# Altium PCB UltraZohm_Digital_Resolver.PcbDoc (part 3 of 3)
Units mm, origin at the board's own origin, x right, y up, seen from the top; angles counter-clockwise.
Board outline 155.99 x 100.01 mm, 4 copper layers (Top Layer, Ground, VCC, Bottom Layer), stack 0.98 mm thick; 372 components, 223 nets, 1088 pads, 356 vias.
Unrouted connection lines stored in the file: 162.
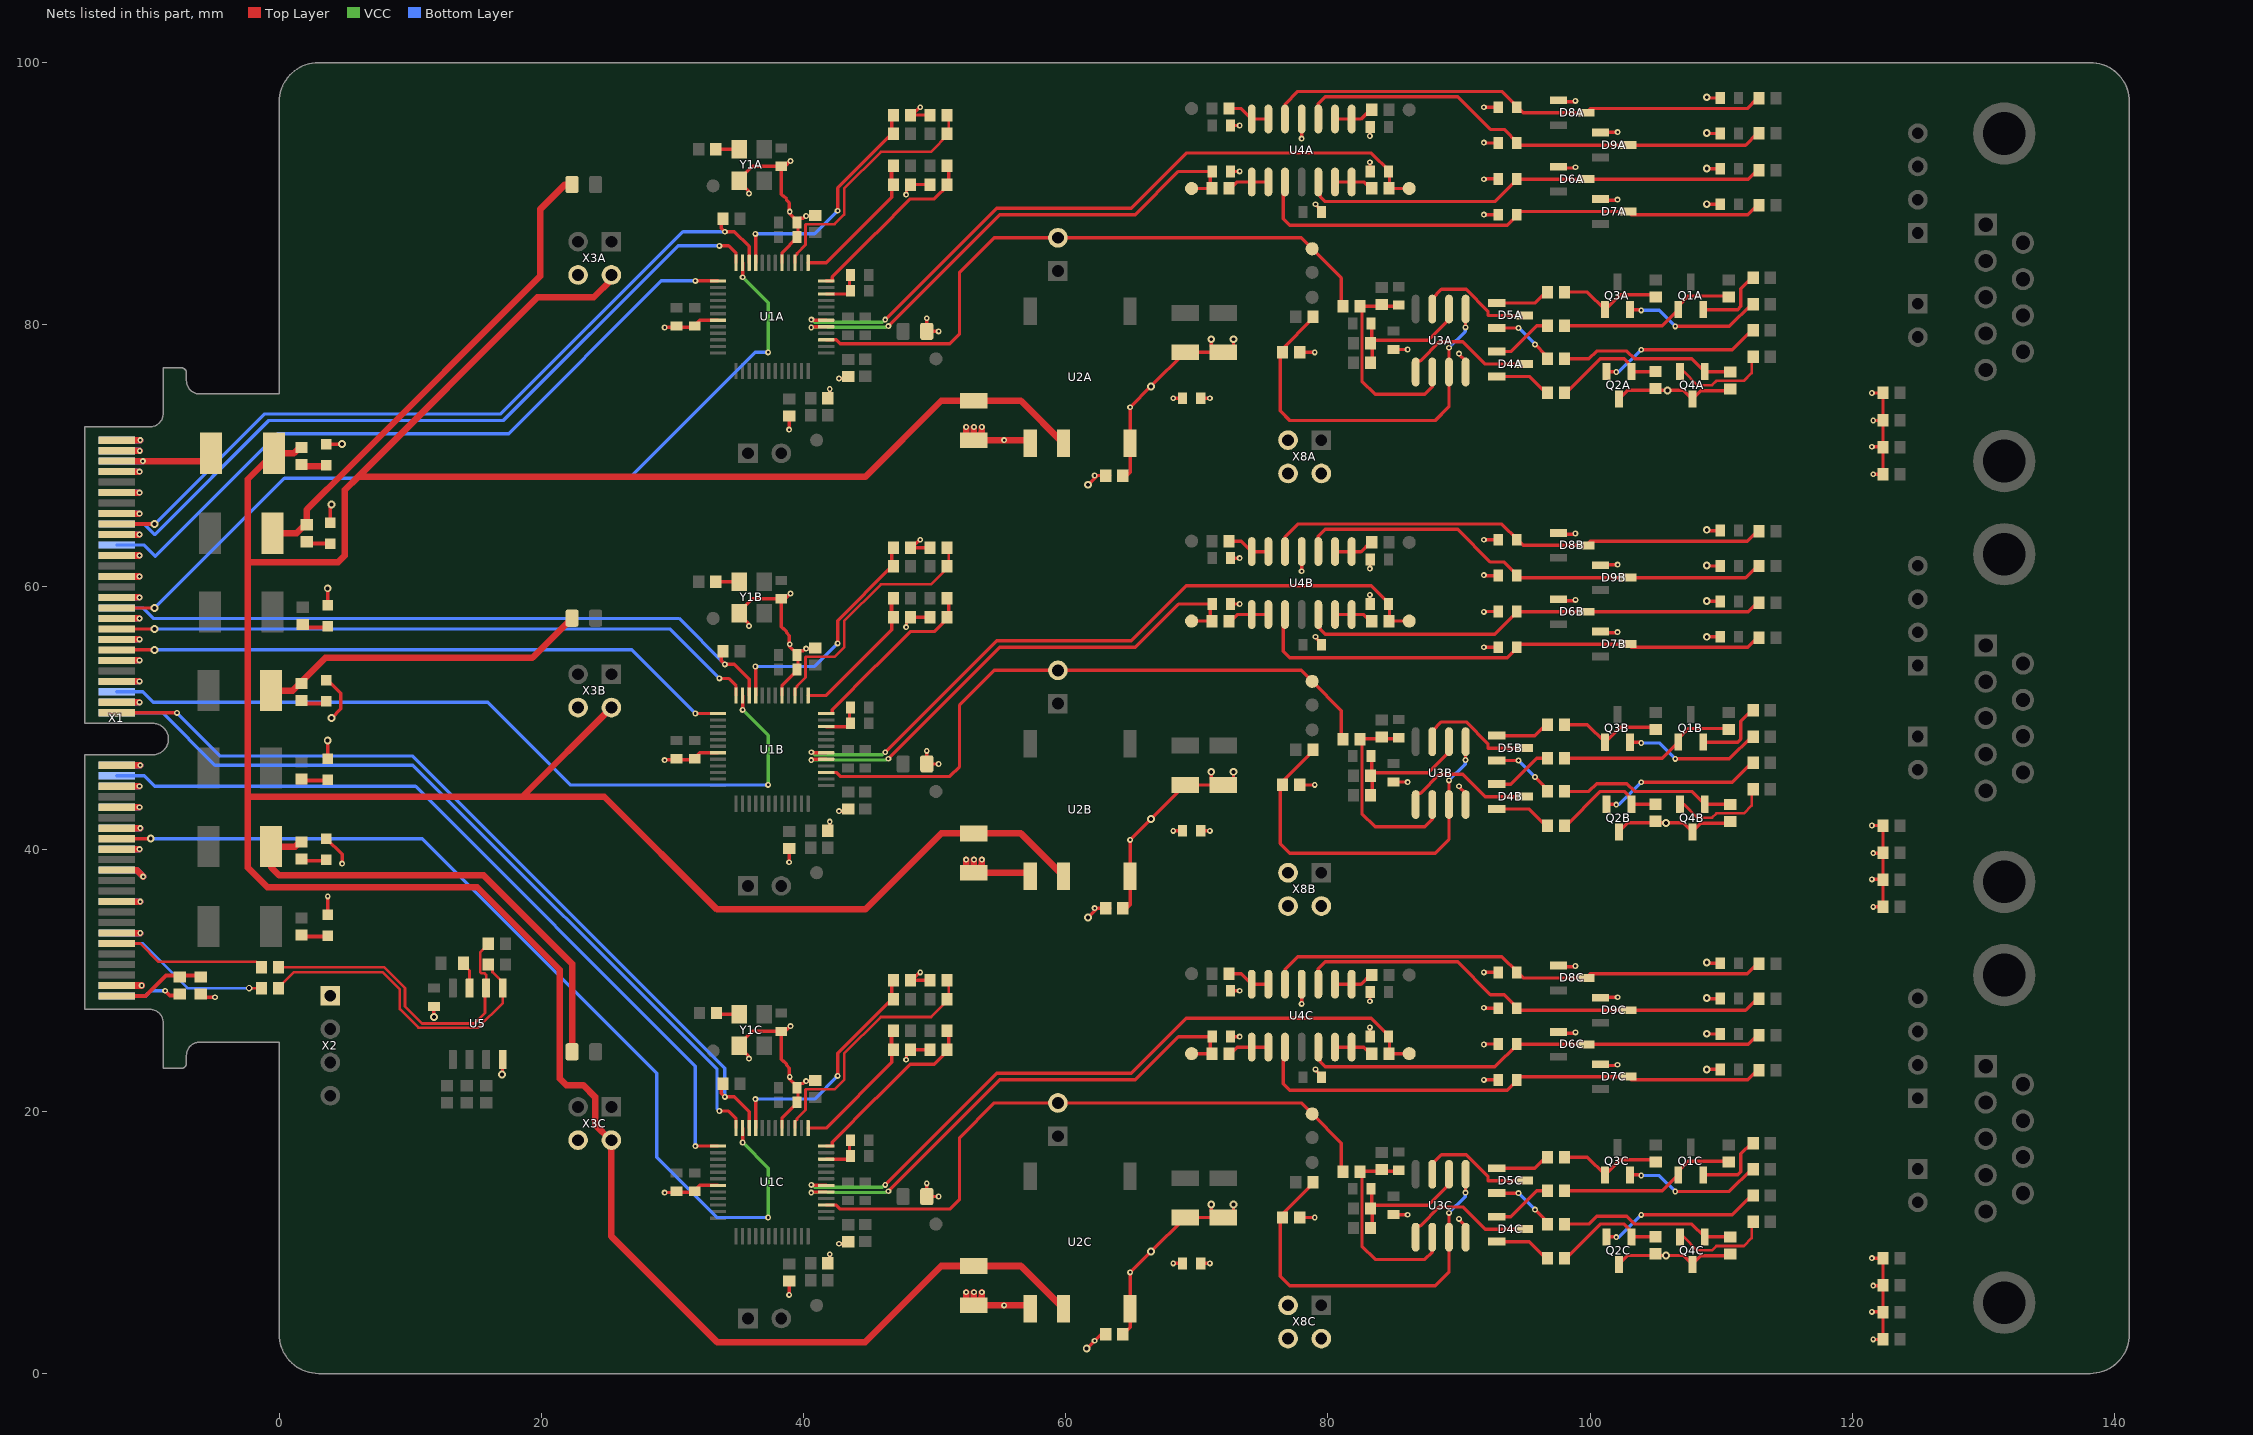
[diagram p5: the nets of this part, all layers, seen from the top]

## Via types
v1: diameter 0.45, hole 0.2, Top Layer to Bottom Layer, tented both sides, 291 vias
v2: diameter 0.6, hole 0.3, Top Layer to Bottom Layer, tented both sides, 46 vias
v3: diameter 0.45, hole 0.2, Top Layer to Bottom Layer, 9 vias
v4: diameter 0.6, hole 0.3, Top Layer to Bottom Layer, 5 vias
v5: diameter 0.5, hole 0.3, Top Layer to Bottom Layer, 5 vias

## Nets (pads, with @x,y where several pads share a name; then routed paths per layer and width w, separated by ;. In a path a pad name is that pad's centre, name@x,y a point inside that pad or via, vN(x,y) a via of type N, cw(c..) or ccw(c..) an arc to the next point about the centre after c; other vN are vias at no path point) (continued)
GND: C1A.1 C1B.1 C1C.1 C2A.1 C2B.1 C2C.1 C3.2 C4A.1 C4B.1 C4C.1 C7A.1 C7B.1 C7C.1 C8A.1 C8B.1 C8C.1 C11A.2 C11B.2 C11C.2 C16A.2 C16B.2 C16C.2 C17A.2 C17B.2 C17C.2 C18A.2 C18B.2 C18C.2 C19A.2 C19B.2 C19C.2 C20A.2 C20B.2 C20C.2 C21A.2 C21B.2 C21C.2 C22A.2 C22B.2 C22C.2 C23A.2 C23B.2 C23C.2 C24A.2 C24B.2 C24C.2 C25A.2 C25B.2 C25C.2 C26A.2 C26B.2 C26C.2 C27A.2 C27B.2 C27C.2 C28A.2 C28B.2 C28C.2 C29A.2 C29B.2 C29C.2 D1.1 D2A.1 D2B.1 D2C.1 D3A.1 D3B.1 D3C.1 D6A.1 D6B.1 D6C.1 D7A.1 D7B.1 D7C.1 D8A.1 D8B.1 D8C.1 D9A.1 D9B.1 D9C.1 L1A.2 L1B.2 L1C.2 R1.1 R7A.1 R7B.1 R7C.1 R9A.2 R9B.2 R9C.2 R10A.1 R10B.1 R10C.1 R12A.1 R12B.1 R12C.1 R15A.1 R15B.1 R15C.1 R18A.1 R18B.1 R18C.1 R20A.1 R20B.1 R20C.1 R21A.2 R21B.2 R21C.2 R50A.2 R50B.2 R50C.2 U1A.5 U1A.19 U1B.5 U1B.19 U1C.5 U1C.19 U2A.1 U2B.1 U2C.1 U4A.11 U4B.11 U4C.11 U5.4 X1.1 X1.2 X1.3 X1.4 X1.7 X1.8 X1.11 X1.12 X1.15 X1.16 X1.19 X1.20 X1.23 X1.24 X1.27 X1.28 X1.31 X1.32 X1.35 X1.36 X1.39 X1.40 X1.43 X1.44 X1.47 X1.48 X1.51 X1.52 X1.55 X1.56 X1.59 X1.60 X1.63 X1.64 X1.67 X1.68 X1.71 X1.72 X1.75 X1.76 X1.81 X1.82 X1.87 X1.88 X1.97 X1.98 X2.1 X3A.4 X3B.4 X3C.4 X8A.2 X8A.4 X8B.2 X8B.4 X8C.2 X8C.4 Y1A.2 Y1B.2 Y1C.2 | length 270.9
  Top Layer w0.254: R1.1@-6,28.85 -5.85,28.7 v1(-4.9,28.7) ; D2C.1@3.6,40.8 4.8,39.6 v1(4.8,38.9) ; D2B.1@3.6,52.9 3.7,52.9 4.7,51.9 4.7,50.7 v2(4,50) ; D1.1@3.6,70.9 v2(4.8,70.9) ; D3C.1@3.7,35 v1(3.7,36.4) ; D3B.1@3.7,46.9 v2(3.7,48.3) ; D3A.1@3.7,58.6 v2(3.7,59.9) ; D2A.1@3.9,64.9 3.9,66.2 v2(4,66.3) ; v4(11.8,27.2) C3.2@11.8,28 ; v4(17,22.8) 17.029,22.829 17.029,23.925 U5.4@17.058,23.954 ; v1(29.4,13.796) 29.415,13.81 30.285,13.81 30.3,13.825 31.564,13.825 32.089,14.35 U1C.19@33.475,14.35 ; v1(29.4,46.796) 29.415,46.81 30.285,46.81 30.3,46.825 31.564,46.825 32.089,47.35 U1B.19@33.475,47.35 ; v1(29.4,79.796) 29.415,79.81 30.285,79.81 30.3,79.825 31.564,79.825 32.089,80.35 U1A.19@33.475,80.35 ; v3(35.841,24.02) 35.803,24.058 35.803,24.197 35.1,24.9 Y1C.2@35.1,25 35.1,25.1 36.1,26.1 C4C.1@38.3,26.1 ; v3(35.841,57.02) 35.803,57.058 35.803,57.197 35.1,57.9 Y1B.2@35.1,58 35.1,58.1 36.1,59.1 C4B.1@38.3,59.1 ; v3(35.841,90.02) 35.803,90.058 35.803,90.197 35.1,90.9 Y1A.2@35.1,91 35.1,91.1 36.1,92.1 C4A.1@38.3,92.1 ; U1C.5@38.35,18.725 38.35,19.475 39.575,20.7 C1C.1@39.575,21.8 ; U1B.5@38.35,51.725 38.35,52.475 39.575,53.7 C1B.1@39.575,54.8 ; U1A.5@38.35,84.725 38.35,85.475 39.575,86.7 C1A.1@39.575,87.8 ; v1(38.9,6) R21C.2@38.9,6.925 ; v1(38.9,39) R21B.2@38.9,39.925 ; v1(38.9,72) R21A.2@38.9,72.925 ; v3@38.906,22.494 C1C.1@39.5,21.9 ; v3@38.906,55.494 C1B.1@39.5,54.9 ; v3@38.906,88.494 C1A.1@39.5,87.9 ; v3(38.943,22.634) 38.906,22.671 38.906,23.294 38.7,23.5 38.7,23.6 38.477,23.823 38.449,23.823 38.3,23.972 C4C.1@38.3,26.1 ; v3(38.943,55.634) 38.906,55.671 38.906,56.294 38.7,56.5 38.7,56.6 38.477,56.823 38.449,56.823 38.3,56.972 C4B.1@38.3,59.1 ; v3(38.943,88.634) 38.906,88.671 38.906,89.294 38.7,89.5 38.7,89.6 38.477,89.823 38.449,89.823 38.3,89.972 C4A.1@38.3,92.1 ; v1(39,26.5) 38.6,26.1 C4C.1@38.3,26.1 ; v1(39,59.5) 38.6,59.1 C4B.1@38.3,59.1 ; v1(39,92.5) 38.6,92.1 C4A.1@38.3,92.1 ; C1C.1@39.5,21.8 C1C.1@39.5,21.9 ; C1B.1@39.5,54.8 C1B.1@39.5,54.9 ; C1A.1@39.5,87.8 C1A.1@39.5,87.9 ; R9C.2@40.9,22.35 40.85,22.3 v1(40.2,22.3) 40.147,22.3 39.97,22.123 39.723,22.123 C1C.1@39.5,21.9 ; R9B.2@40.9,55.35 40.85,55.3 v1(40.2,55.3) 40.147,55.3 39.97,55.123 39.723,55.123 C1B.1@39.5,54.9 ; R9A.2@40.9,88.35 40.85,88.3 v1(40.2,88.3) 40.147,88.3 39.97,88.123 39.723,88.123 C1A.1@39.5,87.9 ; R20C.1@41.975,8.4 42,8.425 v1(42,9.1) ; R20B.1@41.975,41.4 42,41.425 v1(42,42.1) ; R20A.1@41.975,74.4 42,74.425 v1(42,75.1) ; v1(42.7,9.9) 43.375,9.9 R18C.1@43.4,9.925 ; v1(42.7,42.9) 43.375,42.9 R18B.1@43.4,42.925 ; v1(42.7,75.9) 43.375,75.9 R18A.1@43.4,75.925 ; v1(47.827,23.933) 47.852,23.957 47.852,24.352 48.2,24.7 R15C.1@49.525,24.7 ; v1(47.827,56.933) 47.852,56.957 47.852,57.352 48.2,57.7 R15B.1@49.525,57.7 ; v1(47.827,89.933) 47.852,89.957 47.852,90.352 48.2,90.7 R15A.1@49.525,90.7 ; v1(48.9,30.6) 48.85,30.6 48.275,30.025 48.275,30 R7C.1@49.525,30 ; v1(48.9,63.6) 48.85,63.6 48.275,63.025 48.275,63 R7B.1@49.525,63 ; v1(48.9,96.6) 48.85,96.6 48.275,96.025 48.275,96 R7A.1@49.525,96 ; v1(49.4,14.5) L1C.2@49.4,13.5 v1(50.3,13.5) ; v1(49.4,47.5) L1B.2@49.4,46.5 v1(50.3,46.5) ; v1(49.4,80.5) L1A.2@49.4,79.5 v1(50.3,79.5) ; v2(61.6,1.9) v1(62.2,2.5) 62.7,3 R50C.2@63.02,3 ; v2(61.7,34.8) 62.4,35.5 R50B.2@63.35,35.5 ; v2(61.7,67.8) 62.4,68.5 R50A.2@63.35,68.5 ; v1(68.2,8.4) C29C.2@68.9,8.4 ; v1(68.2,41.4) C29B.2@68.9,41.4 ; v1(68.2,74.4) C29A.2@68.9,74.4 ; C26C.2@72.65,25.7 v1(73.265,25.7) ; C27C.2@72.65,29.2 v1(73.265,29.2) ; C26B.2@72.65,58.7 v1(73.265,58.7) ; C27B.2@72.65,62.2 v1(73.265,62.2) ; C26A.2@72.65,91.7 v1(73.265,91.7) ; C27A.2@72.65,95.2 v1(73.265,95.2) ; v1(78,28.2) U4C.11@78,29.7 ; v1(78,61.2) U4B.11@78,62.7 ; v1(78,94.2) U4A.11@78,95.7 ; v1(79.057,23.2) 79.094,23.162 79.094,23.106 79.575,22.625 C24C.2@79.575,22.6 ; v1(79.057,56.2) 79.094,56.162 79.094,56.106 79.575,55.625 C24B.2@79.575,55.6 ; v1(79.057,89.2) 79.094,89.162 79.094,89.106 79.575,88.625 C24A.2@79.575,88.6 ; C25C.2@83.2,25.75 83.212,25.762 83.212,26.388 v1(83.2,26.4) ; v1(83.2,28.4) 83.212,28.412 83.212,29.038 C28C.2@83.2,29.05 ; C25B.2@83.2,58.75 83.212,58.762 83.212,59.388 v1(83.2,59.4) ; v1(83.2,61.4) 83.212,61.412 83.212,62.038 C28B.2@83.2,62.05 ; C25A.2@83.2,91.75 83.212,91.762 83.212,92.388 v1(83.2,92.4) ; v1(83.2,94.4) 83.212,94.412 83.212,95.038 C28A.2@83.2,95.05 ; v1(91.9,22.4) C21C.2@92.925,22.4 ; v1(91.9,25.1) 91.933,25.133 C20C.2@92.925,25.133 ; v1(91.9,27.9) 91.933,27.867 C23C.2@92.925,27.867 ; v1(91.9,30.6) C22C.2@92.925,30.6 ; v1(91.9,55.4) C21B.2@92.925,55.4 ; v1(91.9,58.1) 91.933,58.133 C20B.2@92.925,58.133 ; v1(91.9,60.9) 91.933,60.867 C23B.2@92.925,60.867 ; v1(91.9,63.6) C22B.2@92.925,63.6 ; v1(91.9,88.4) C21A.2@92.925,88.4 ; v1(91.9,91.1) 91.933,91.133 C20A.2@92.925,91.133 ; v1(91.9,93.9) 91.933,93.867 C23A.2@92.925,93.867 ; v1(91.9,96.6) C22A.2@92.925,96.6 ; D6C.1@97.58,25.96 98.886,25.96 v1(98.886,26.018) ; D8C.1@97.58,31.027 98.873,31.027 98.873,31.077 v1(98.879,31.083) ; D6B.1@97.58,58.96 98.886,58.96 v1(98.886,59.018) ; D8B.1@97.58,64.027 98.873,64.027 98.873,64.077 v1(98.879,64.083) ; D6A.1@97.58,91.96 98.886,91.96 v1(98.886,92.018) ; D8A.1@97.58,97.027 98.873,97.027 98.873,97.077 v1(98.879,97.083) ; D7C.1@100.787,23.5 102.088,23.5 v1(102.088,23.552) ; D7B.1@100.787,56.5 102.088,56.5 v1(102.088,56.552) ; D7A.1@100.787,89.5 102.088,89.5 v1(102.088,89.552) ; D9C.1@100.82,28.6 100.92,28.7 v1(102.1,28.7) ; D9B.1@100.82,61.6 100.92,61.7 v1(102.1,61.7) ; D9A.1@100.82,94.6 100.92,94.7 v1(102.1,94.7) ; v2(108.9,23.2) C17C.2@109.85,23.2 ; v2(108.9,25.92) 108.92,25.9 C16C.2@109.85,25.9 ; v2(108.9,28.641) 108.941,28.6 C19C.2@109.85,28.6 ; v2(108.9,31.361) 108.961,31.3 C18C.2@109.85,31.3 ; v2(108.9,56.2) C17B.2@109.85,56.2 ; v2(108.9,58.92) 108.92,58.9 C16B.2@109.85,58.9 ; v2(108.9,61.641) 108.941,61.6 C19B.2@109.85,61.6 ; v2(108.9,64.361) 108.961,64.3 C18B.2@109.85,64.3 ; v2(108.9,89.2) C17A.2@109.85,89.2 ; v2(108.9,91.92) 108.92,91.9 C16A.2@109.85,91.9 ; v2(108.9,94.641) 108.941,94.6 C19A.2@109.85,94.6 ; v2(108.9,97.361) 108.961,97.3 C18A.2@109.85,97.3
  Top Layer w0.5: X1.97@-12.4,29.6 v1(-10.5,29.6) ; X1.87@-12.4,33.6 v1(-10.6,33.6) ; X1.81@-12.4,36 v1(-10.6,36) ; X1.75@-12.4,38.4 -10.87,38.4 v1(-10.376,37.906) ; X1.71@-12.4,40 v1(-10.661,40) ; X1.67@-12.4,41.6 v1(-10.6,41.6) ; X1.63@-12.4,43.2 v1(-10.661,43.2) ; X1.59@-12.4,44.8 v1(-10.661,44.8) ; X1.55@-12.4,46.4 v1(-10.6,46.4) ; X1.51@-12.4,51.2 v1(-10.661,51.2) ; X1.47@-12.4,52.8 v1(-10.661,52.8) ; X1.43@-12.4,54.4 v1(-10.661,54.4) ; X1.39@-12.4,56 v1(-10.661,56) ; X1.35@-12.4,57.6 v1(-10.661,57.6) ; X1.31@-12.4,59.2 v1(-10.661,59.2) ; X1.27@-12.4,60.8 v1(-10.661,60.8) ; X1.23@-12.4,62.4 v1(-10.661,62.4) ; X1.19@-12.4,64 v1(-10.661,64) ; X1.15@-12.4,65.6 v1(-10.661,65.6) ; X1.11@-12.4,67.2 v1(-10.661,67.2) ; X1.7@-12.4,68.8 v1(-10.661,68.8) ; X1.3@-12.4,70.4 -10.654,70.4 v1(-10.64,70.386) ; X1.1@-12.4,71.2 v1(-10.6,71.2) ; v1(52.4,6.2) 52.4,5.55 C11C.2@52.75,5.2 ; v1(52.4,39.2) 52.4,38.55 C11B.2@52.75,38.2 ; v1(52.4,72.2) 52.4,71.55 C11A.2@52.75,71.2 ; v1(53,6.2) 53,5.45 C11C.2@52.75,5.2 ; v1(53,39.2) 53,38.45 C11B.2@52.75,38.2 ; v1(53,72.2) 53,71.45 C11A.2@52.75,71.2 ; v1(53.6,6.2) 53.6,5.8 C11C.2@53,5.2 ; v1(53.6,39.2) 53.6,38.8 C11B.2@53,38.2 ; v1(53.6,72.2) 53.6,71.8 C11A.2@53,71.2 ; U2C.1@57.29,4.95 57.04,5.2 C11C.2@53,5.2 ; U2B.1@57.29,37.95 57.04,38.2 C11B.2@53,38.2 ; U2A.1@57.29,70.95 57.04,71.2 C11A.2@53,71.2 ; C11C.2@52.75,5.2 C11C.2@53,5.2 ; C11B.2@52.75,38.2 C11B.2@53,38.2 ; C11A.2@52.75,71.2 C11A.2@53,71.2
  Bottom Layer w0.5: X1.98@-12.4,29.6 v1(-10.5,29.6) ; X1.88@-12.4,33.6 v1(-10.6,33.6) ; X1.82@-12.4,36 v1(-10.6,36) ; X1.76@-12.4,38.4 -10.87,38.4 v1(-10.376,37.906) ; X1.72@-12.4,40 v1(-10.661,40) ; X1.68@-12.4,41.6 v1(-10.6,41.6) ; X1.64@-12.4,43.2 v1(-10.661,43.2) ; X1.60@-12.4,44.8 v1(-10.661,44.8) ; X1.56@-12.4,46.4 v1(-10.6,46.4) ; X1.52@-12.4,51.2 v1(-10.661,51.2) ; X1.48@-12.4,52.8 v1(-10.661,52.8) ; X1.44@-12.4,54.4 v1(-10.661,54.4) ; X1.40@-12.4,56 v1(-10.661,56) ; X1.36@-12.4,57.6 v1(-10.661,57.6) ; X1.32@-12.4,59.2 v1(-10.661,59.2) ; X1.28@-12.4,60.8 v1(-10.661,60.8) ; X1.24@-12.4,62.4 v1(-10.661,62.4) ; X1.20@-12.4,64 v1(-10.661,64) ; X1.16@-12.4,65.6 v1(-10.661,65.6) ; X1.12@-12.4,67.2 v1(-10.661,67.2) ; X1.8@-12.4,68.8 v1(-10.661,68.8) ; X1.4@-12.4,70.4 -10.654,70.4 v1(-10.64,70.386) ; X1.2@-12.4,71.2 v1(-10.6,71.2)
  other v1: 55.3,5.2 62.2,35.5 62.2,68.5 55.3,71.2
GND_EXCA: C12A.2 C13A.2 C29A.1 C30A.2 Q2A.3 Q4A.3 R3A.2 R4A.2 R5A.2 R25A.1 R33A.2 R37A.2 R50A.1 R51A.1 U2A.4 U3A.4 X8A.3 | length 40.3
  Top Layer w0.254: R50A.1@64.65,68.5 64.91,68.76 U2A.4@64.91,70.95 v1(64.91,73.71) v2(66.5,75.3) C13A.2@69.1,77.9 C30A.2@71.573,77.9 ; C29A.1@70.3,74.4 v1(71,74.4) ; v2(71.1,78.9) 71.1,78.373 C30A.2@71.573,77.9 ; v2(72.8,78.9) 72.8,78.373 72.327,77.9 C30A.2@72,77.9 C30A.2@71.573,77.9 ; R25A.1@77.975,77.9 v1(79,77.9) ; C12A.2@84.8,78.05 84.869,78.119 86.071,78.119 v1(86.078,78.112) ; v1(90,77.8) 90,77.753 90.505,77.248 U3A.4@90.505,76.4 ; Q2A.3@102.2,74.325 102.88,75.005 104.99,75.005 107.12,75.005 Q4A.3@107.8,74.325 108.455,74.98 R37A.2@110.69,74.98 ; v1(121.5,70.7) 122.317,70.7 R3A.2@122.35,70.667 ; v1(121.5,74.8) R4A.2@122.35,74.8 R5A.2@122.35,72.733 ; v1(121.6,68.6) R51A.1@122.35,68.6 R3A.2@122.35,70.667 ; v1(121.6,72.7) 122.317,72.7 R5A.2@122.35,72.733 ; R3A.2@122.35,70.667 R5A.2@122.35,72.733
  Bottom Layer w0.254: v1@89.994,77.794 v1(90,77.8)
  other v2: 105.9,75
GND_EXCB: C12B.2 C13B.2 C29B.1 C30B.2 Q2B.3 Q4B.3 R3B.2 R4B.2 R5B.2 R25B.1 R33B.2 R37B.2 R50B.1 R51B.1 U2B.4 U3B.4 X8B.3 | length 40.3
  Top Layer w0.254: R50B.1@64.65,35.5 64.91,35.76 U2B.4@64.91,37.95 v1(64.91,40.71) v2(66.5,42.3) C13B.2@69.1,44.9 C30B.2@71.573,44.9 ; C29B.1@70.3,41.4 v1(71,41.4) ; v2(71.1,45.9) 71.1,45.373 C30B.2@71.573,44.9 ; v2(72.8,45.9) 72.8,45.373 72.327,44.9 C30B.2@72,44.9 C30B.2@71.573,44.9 ; R25B.1@77.975,44.9 v1(79,44.9) ; C12B.2@84.8,45.05 84.869,45.119 86.071,45.119 v1(86.078,45.112) ; v1(90,44.8) 90,44.753 90.505,44.248 U3B.4@90.505,43.4 ; Q2B.3@102.2,41.325 102.88,42.005 104.99,42.005 107.12,42.005 Q4B.3@107.8,41.325 108.455,41.98 R37B.2@110.69,41.98 ; v1(121.5,37.7) 122.317,37.7 R3B.2@122.35,37.667 ; v1(121.5,41.8) R4B.2@122.35,41.8 R5B.2@122.35,39.733 ; v1(121.6,35.6) R51B.1@122.35,35.6 R3B.2@122.35,37.667 ; v1(121.6,39.7) 122.317,39.7 R5B.2@122.35,39.733 ; R3B.2@122.35,37.667 R5B.2@122.35,39.733
  Bottom Layer w0.254: v1@89.994,44.794 v1(90,44.8)
  other v2: 105.8,42
GND_EXCC: C12C.2 C13C.2 C29C.1 C30C.2 Q2C.3 Q4C.3 R3C.2 R4C.2 R5C.2 R25C.1 R33C.2 R37C.2 R50C.1 R51C.1 U2C.4 U3C.4 X8C.3 | length 39.9
  Top Layer w0.254: R50C.1@64.4,3 64.91,3.51 U2C.4@64.91,4.95 v1(64.91,7.71) v2(66.5,9.3) C13C.2@69.1,11.9 C30C.2@71.573,11.9 ; C29C.1@70.3,8.4 v1(71,8.4) ; v2(71.1,12.9) 71.1,12.373 C30C.2@71.573,11.9 ; v2(72.8,12.9) 72.8,12.373 72.327,11.9 C30C.2@72,11.9 C30C.2@71.573,11.9 ; R25C.1@77.975,11.9 v1(79,11.9) ; C12C.2@84.8,12.05 84.869,12.119 86.071,12.119 v1(86.078,12.112) ; v1(90,11.8) 90,11.753 90.505,11.248 U3C.4@90.505,10.4 ; Q2C.3@102.2,8.325 102.88,9.005 104.99,9.005 107.12,9.005 Q4C.3@107.8,8.325 108.455,8.98 R37C.2@110.69,8.98 ; v1(121.5,4.7) 122.317,4.7 R3C.2@122.35,4.667 ; v1(121.5,8.8) R4C.2@122.35,8.8 R5C.2@122.35,6.733 ; v1(121.6,2.6) R51C.1@122.35,2.6 R3C.2@122.35,4.667 ; v1(121.6,6.7) 122.317,6.7 R5C.2@122.35,6.733 ; R3C.2@122.35,4.667 R5C.2@122.35,6.733
  Bottom Layer w0.254: v1@89.994,11.794 v1(90,11.8)
  other v2: 105.8,9
N_EXCA: R26A.2 TP8A.1 U1A.39 X6A.2 | length 88.4
  Top Layer w0.254: U1A.39@41.725,78.85 42.504,78.85 42.806,78.548 51.148,78.548 ; 51.148,78.548 51.9,79.3 ; 51.148,78.548 51.9,79.3 ; 51.9,79.3 51.9,84 ; 51.9,79.3 51.9,84 ; 51.9,84 54.54,86.64 ; 51.9,84 54.54,86.64 ; 54.54,86.64 X6A.2@59.4,86.64 ; 54.54,86.64 X6A.2@59.4,86.64 ; X6A.2@59.4,86.64 77.96,86.64 ; X6A.2@59.4,86.64 77.96,86.64 ; 77.96,86.64 TP8A.1@78.8,85.8 ; 77.96,86.64 TP8A.1@78.8,85.8 ; TP8A.1@78.8,85.8 81.025,83.575 ; TP8A.1@78.8,85.8 81.025,83.575 ; 81.025,83.575 81.025,81.4 81.025,83.575
N_EXCB: R26B.2 TP8B.1 U1B.39 X6B.2 | length 49
  Top Layer w0.254: U1B.39@41.725,45.85 42.504,45.85 42.806,45.548 51.148,45.548 51.9,46.3 51.9,51 54.54,53.64 X6B.2@59.4,53.64 77.96,53.64 TP8B.1@78.8,52.8 81.025,50.575 R26B.2@81.025,48.4
N_EXCC: R26C.2 TP8C.1 U1C.39 X6C.2 | length 87.3
  Top Layer w0.254: U1C.39@41.725,12.85 42.504,12.85 42.806,12.548 51.148,12.548 51.9,13.3 ; 51.9,13.3 51.9,18 ; 51.9,13.3 51.9,18 ; 51.9,18 54.54,20.64 ; 51.9,18 54.54,20.64 ; 54.54,20.64 X6C.2@59.4,20.64 ; 54.54,20.64 X6C.2@59.4,20.64 ; X6C.2@59.4,20.64 77.96,20.64 ; X6C.2@59.4,20.64 77.96,20.64 ; 77.96,20.64 TP8C.1@78.8,19.8 ; 77.96,20.64 TP8C.1@78.8,19.8 ; TP8C.1@78.8,19.8 81.025,17.575 ; TP8C.1@78.8,19.8 81.025,17.575 ; 81.025,17.575 81.025,15.4 81.025,17.575
N_SAMPLE1: R14A.1 U1A.10 X1.17 | length 60.3
  Top Layer w0.254: R14A.1@33.725,88.1 33.725,87.375 v1(34,87.1) 34.725,87.1 35.85,85.975 U1A.10@35.85,84.725
  Top Layer w0.3: X1.17@-12.4,64.8 v2(-9.5,64.8)
  Bottom Layer w0.254: v2(-9.5,64.8) -1.1,73.2 16.9,73.2 30.8,87.1 v1(34,87.1)
N_SAMPLE2: R14B.1 U1B.10 X1.34 | length 52.9
  Top Layer w0.254: R14B.1@33.725,55.1 33.725,54.375 v1(34,54.1) 34.725,54.1 35.85,52.975 U1B.10@35.85,51.725
  Bottom Layer w0.254: X1.34@-12.4,58.4 -10.4,58.4 -9.6,57.6 30.5,57.6 v1(34,54.1)
N_SAMPLE3: R14C.1 U1C.10 X1.53 | length 64.5
  Top Layer w0.254: X1.53@-12.4,50.4 v1(-7.8,50.4) ; R14C.1@33.725,22.1 33.725,21.375 v1(34,21.1) 34.725,21.1 35.85,19.975 U1C.10@35.85,18.725
  Bottom Layer w0.254: v1(-7.8,50.4) -4.5,47.1 10.2,47.1 34,23.3 v1(34,21.1)
NetC14A_1: C14A.1 R27A.1 R28A.1 U3A.6 | length 10.5
  Top Layer w0.254: R27A.1@83.375,77.1 83.375,78.562 R28A.1@83.35,78.588 ; C14A.1@83.375,80.1 83.35,80.075 R28A.1@83.35,78.588 ; U3A.6@89.235,81.2 89.235,80.4 87.66,78.825 83.587,78.825 R28A.1@83.35,78.588
NetC14B_1: C14B.1 R27B.1 R28B.1 U3B.6 | length 10.5
  Top Layer w0.254: R27B.1@83.375,44.1 83.375,45.562 R28B.1@83.35,45.588 ; C14B.1@83.375,47.1 83.35,47.075 R28B.1@83.35,45.588 ; U3B.6@89.235,48.2 89.235,47.4 87.66,45.825 83.587,45.825 R28B.1@83.35,45.588
NetC14C_1: C14C.1 R27C.1 R28C.1 U3C.6 | length 10.5
  Top Layer w0.254: R27C.1@83.375,11.1 83.375,12.562 R28C.1@83.35,12.588 ; C14C.1@83.375,14.1 83.35,14.075 R28C.1@83.35,12.588 ; U3C.6@89.235,15.2 89.235,14.4 87.66,12.825 83.587,12.825 R28C.1@83.35,12.588
NetC15A_1: C15A.1 R26A.1 R29A.1 U3A.2 | length 15.7
  Top Layer w0.203: R26A.1@82.45,81.4 82.512,81.338 82.6,81.25 82.6,75.7
  Top Layer w0.254: R26A.1@82.575,81.4 82.6,81.425 84.1,81.425 C15A.1@85.4,81.425 ; 82.6,75.7 83.6,74.7 87.4,74.7 87.965,75.265 U3A.2@87.965,76.4
NetC15B_1: C15B.1 R26B.1 R29B.1 U3B.2 | length 15.7
  Top Layer w0.203: R26B.1@82.45,48.4 82.512,48.338 82.6,48.25 82.6,42.7
  Top Layer w0.254: R26B.1@82.575,48.4 82.6,48.425 84.1,48.425 C15B.1@85.4,48.425 ; 82.6,42.7 83.6,41.7 87.4,41.7 87.965,42.265 U3B.2@87.965,43.4
NetC15C_1: C15C.1 R26C.1 R29C.1 U3C.2 | length 15.7
  Top Layer w0.203: R26C.1@82.45,15.4 82.512,15.338 82.6,15.25 82.6,9.7
  Top Layer w0.254: R26C.1@82.575,15.4 82.6,15.425 84.1,15.425 C15C.1@85.4,15.425 ; 82.6,9.7 83.6,8.7 87.4,8.7 87.965,9.265 U3C.2@87.965,10.4
NetC20A_1: C20A.1 D6A.3 R42A.2 U4A.5 | length 35.7
  Top Layer w0.254: U4A.5@79.27,90.9 79.27,90.006 79.413,89.864 79.413,89.787 79.8,89.4 92.742,89.4 94.475,91.133 94.498,91.11 D6A.3@99.68,91.11 112.06,91.11 R42A.2@112.75,91.8
NetC20B_1: C20B.1 D6B.3 R42B.2 U4B.5 | length 35.7
  Top Layer w0.254: U4B.5@79.27,57.9 79.27,57.006 79.413,56.864 79.413,56.787 79.8,56.4 92.742,56.4 94.475,58.133 94.498,58.11 D6B.3@99.68,58.11 112.06,58.11 R42B.2@112.75,58.8
NetC20C_1: C20C.1 D6C.3 R42C.2 U4C.5 | length 35.7
  Top Layer w0.254: U4C.5@79.27,24.9 79.27,24.006 79.413,23.864 79.413,23.787 79.8,23.4 92.742,23.4 94.475,25.133 94.498,25.11 D6C.3@99.68,25.11 112.06,25.11 R42C.2@112.75,25.8
NetC21A_1: C21A.1 D7A.3 R43A.2 U4A.3 | length 40
  Top Layer w0.254: U4A.3@76.73,90.9 76.73,90.13 76.6,90 76.6,88.1 77.1,87.6 93.675,87.6 94.475,88.4 94.718,88.643 D7A.3@102.88,88.643 103.123,88.4 112.017,88.4 R43A.2@112.75,89.133
NetC21B_1: C21B.1 D7B.3 R43B.2 U4B.3 | length 40
  Top Layer w0.254: U4B.3@76.73,57.9 76.73,57.13 76.6,57 76.6,55.1 77.1,54.6 93.675,54.6 94.475,55.4 94.718,55.643 D7B.3@102.88,55.643 103.123,55.4 112.017,55.4 R43B.2@112.75,56.133
NetC21C_1: C21C.1 D7C.3 R43C.2 U4C.3 | length 40
  Top Layer w0.254: U4C.3@76.73,24.9 76.73,24.13 76.6,24 76.6,22.1 77.1,21.6 93.675,21.6 94.475,22.4 94.718,22.643 D7C.3@102.88,22.643 103.123,22.4 112.017,22.4 R43C.2@112.75,23.133
NetC22A_1: C22A.1 D8A.3 R44A.2 U4A.12 | length 38.7
  Top Layer w0.254: U4A.12@76.73,95.7 76.73,96.83 77.7,97.8 93.275,97.8 94.475,96.6 94.898,96.177 D8A.3@99.68,96.177 100.003,96.5 111.983,96.5 R44A.2@112.75,97.267
NetC22B_1: C22B.1 D8B.3 R44B.2 U4B.12 | length 38.7
  Top Layer w0.254: U4B.12@76.73,62.7 76.73,63.83 77.7,64.8 93.275,64.8 94.475,63.6 94.898,63.177 D8B.3@99.68,63.177 100.003,63.5 111.983,63.5 R44B.2@112.75,64.267